# Allegro board TubiiPCB_V6.brd (continued)
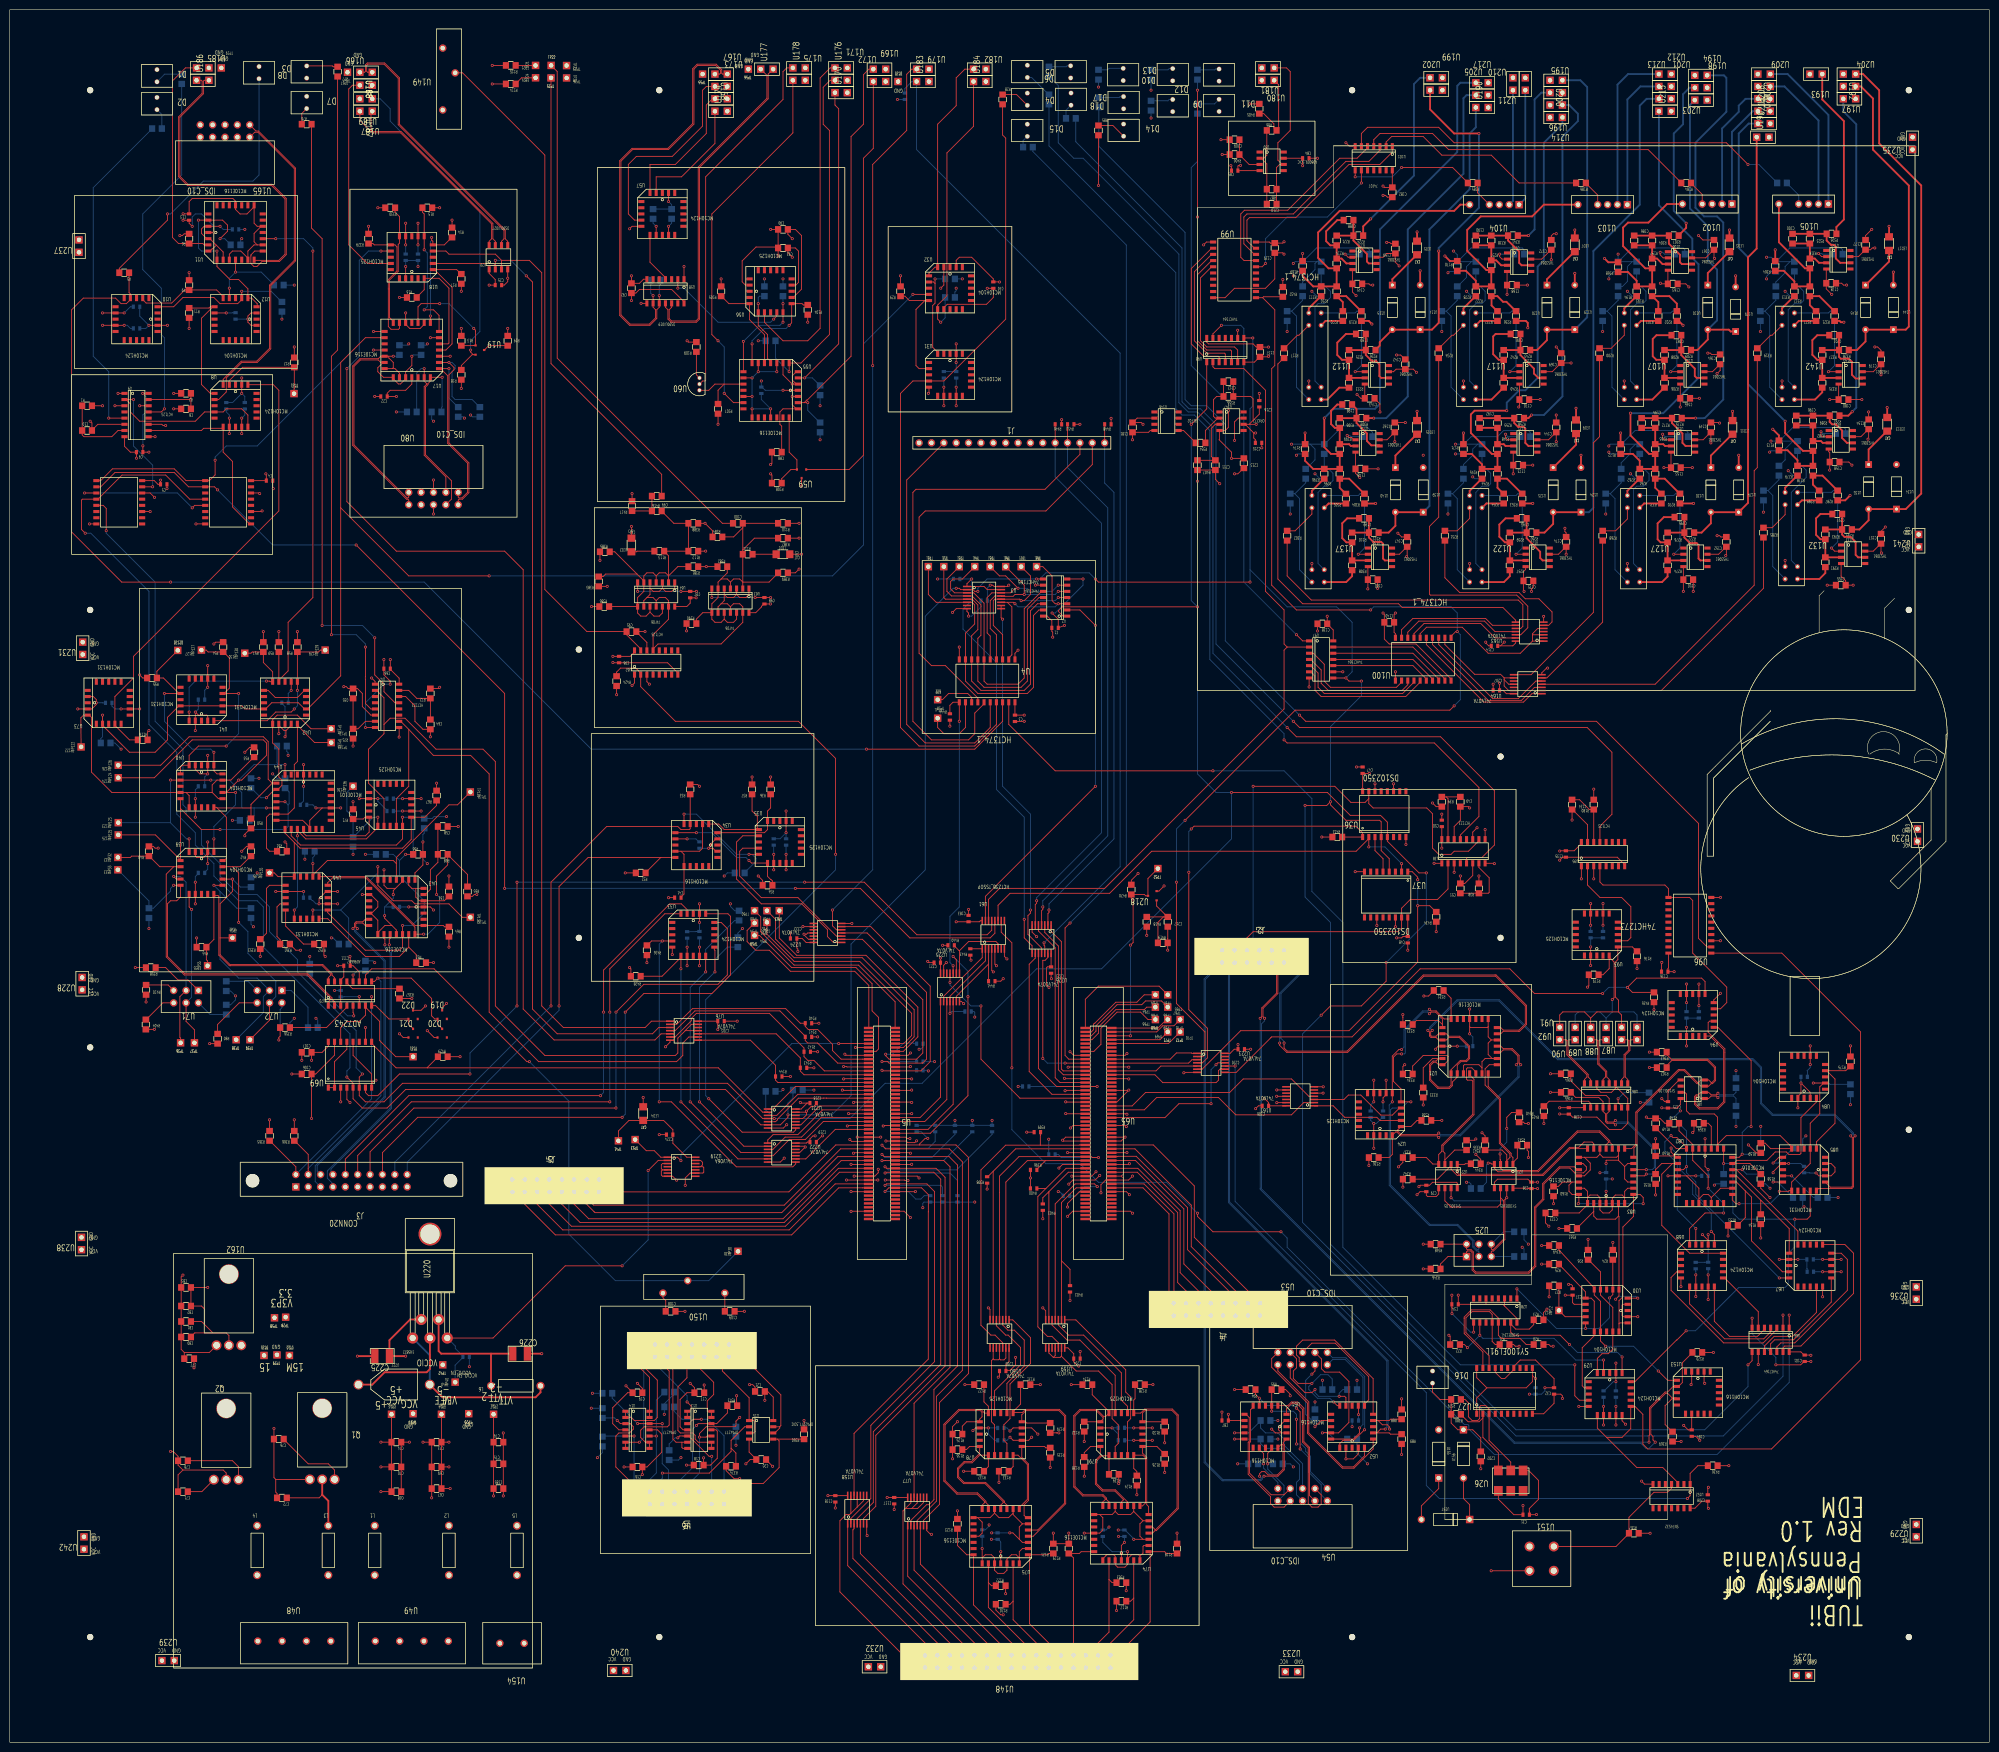
[diagram p0: board, top side]
## Routing (per net, layer and track width the routed paths; a pad name or vN(x,y) marks a point on that pad's centre or on a via; arc(x,y) is an arc through that point) (continued)
v1(195.83,151.6) 196.23,151.21 ; v1(195.83,151.6) 195.44,152 ; v1(195.83,151.6) 195.44,151.21 ; 184.77,134.25 v1(185.17,133.86) ; v1(185.17,133.86) 185.56,133.46 ; v1(185.17,133.86) 185.56,134.25 ; v1(185.17,133.86) 184.77,133.46 ; 186.3,116.22 v1(186.69,115.82) ; v1(186.69,115.82) 187.08,116.22 ; v1(186.69,115.82) 187.08,115.43 ; v1(186.69,115.82) 186.3,115.43 ; v1(367.11,130.22) 367.5,129.83 ; v1(367.11,130.22) 366.71,129.83 ; v1(367.11,130.22) 366.71,130.62 ; v1(367.11,130.22) 367.5,130.62 ; v1(217.17,107.95) 217.56,107.56 ; v1(217.17,107.95) 216.78,108.34 ; v1(217.17,107.95) 216.78,107.56 ; v1(217.17,107.95) 217.56,108.34 ; 66.28,154.7 v1(66.67,154.31) ; v1(66.67,154.31) 66.28,153.91 ; v1(66.67,154.31) 67.07,153.91 ; v1(66.67,154.31) 67.07,154.7 ; v1(55.25,207.01) 55.64,207.4 ; v1(55.25,207.01) 55.64,206.62 ; v1(55.25,207.01) 54.85,207.4 ; v1(55.25,207.01) 54.85,206.62 ; J5.6 108.94,114.83 ; J5.6 107.59,114.83 ; J5.6 107.59,116.18 ; J5.6 108.94,116.18 ; v1(280.67,167.64) 281.06,168.03 ; v1(280.67,167.64) 280.28,167.25 ; v1(280.67,167.64) 281.06,167.25 ; v1(280.67,167.64) 280.28,168.03 ; 390.74,92.8 U236.2 ; U236.2 390.74,94.15 ; U236.2 392.09,94.15 ; U236.2 392.09,92.8 ; 266.37,216.2 v1(266.76,216.6) ; v1(266.76,216.6) 266.37,216.99 ; v1(266.76,216.6) 267.16,216.99 ; v1(266.76,216.6) 267.16,216.2 ; v1(212.09,89.15) 212.48,89.55 ; v1(212.09,89.15) 211.7,89.55 ; v1(212.09,89.15) 212.48,88.76 ; v1(212.09,89.15) 211.7,88.76 ; 191.88,159.63 v1(192.28,160.02) ; v1(192.28,160.02) 192.67,160.41 ; v1(192.28,160.02) 192.67,159.63 ; v1(192.28,160.02) 191.88,160.41 ; U49.2 80.73,21.44 ; U49.2 80.73,20.09 ; U49.2 79.39,20.09 ; U49.2 79.39,21.44 ; v1(71.76,193.68) 72.15,193.28 ; v1(71.76,193.68) 72.15,194.07 ; v1(71.76,193.68) 71.36,193.28 ; v1(71.76,193.68) 71.36,194.07 ; 37.71,211.06 v1(38.1,211.45) ; v1(38.1,211.45) 38.49,211.06 ; v1(38.1,211.45) 38.49,211.85 ; v1(38.1,211.45) 37.71,211.85 ; v1(87,252.1) 87.39,252.49 ; v1(87,252.1) 86.6,251.7 ; v1(87,252.1) 86.6,252.49 ; v1(87,252.1) 87.39,251.7 ; v1(172.72,118.62) 173.11,119.01 ; v1(172.72,118.62) 172.33,118.22 ; v1(172.72,118.62) 172.33,119.01 ; v1(172.72,118.62) 173.11,118.22 ; 317.11,272.81 v1(317.5,272.42) ; v1(317.5,272.42) 317.89,272.02 ; v1(317.5,272.42) 317.11,272.02 ; v1(317.5,272.42) 317.89,272.81 ; 207.89,209.16 v1(208.28,209.55) ; v1(208.28,209.55) 208.67,209.94 ; v1(208.28,209.55) 207.89,209.94 ; v1(208.28,209.55) 208.67,209.16 ; 281.55,231.38 v1(281.94,231.77) ; v1(281.94,231.77) 282.33,232.17 ; v1(281.94,231.77) 281.55,232.17 ; v1(281.94,231.77) 282.33,231.38 ; 268.09,227.69 v1(268.48,228.09) ; v1(268.48,228.09) 268.09,228.48 ; v1(268.48,228.09) 268.88,227.69 ; v1(268.48,228.09) 268.88,228.48 ; 237.34,162.18 v1(237.73,162.58) ; v1(237.73,162.58) 238.12,162.18 ; v1(237.73,162.58) 237.34,162.97 ; v1(237.73,162.58) 238.12,162.97 ; U6.12 134.63,48.21 ; U6.12 133.28,48.21 ; U6.12 134.63,49.56 ; U6.12 133.28,49.56 ; v1(343.53,290.83) 343.93,291.22 ; v1(343.53,290.83) 343.14,290.44 ; v1(343.53,290.83) 343.93,290.44 ; v1(343.53,290.83) 343.14,291.22 ; 280.02,254.65 v1(280.42,254.25) ; v1(280.42,254.25) 280.02,253.86 ; v1(280.42,254.25) 280.81,254.65 ; v1(280.42,254.25) 280.81,253.86 ; 230.11,266.94 v1(230.5,267.33) ; v1(230.5,267.33) 230.9,266.94 ; v1(230.5,267.33) 230.9,267.73 ; v1(230.5,267.33) 230.11,267.73 ; 66.92,159.78 v1(67.31,159.38) ; v1(67.31,159.38) 67.7,159.78 ; v1(67.31,159.38) 66.92,158.99 ; v1(67.31,159.38) 67.7,158.99 ; J3.13 74.65,113.31 ; J3.13 73.3,114.66 ; J3.13 74.65,114.66 ; J3.13 73.3,113.31 ; U80.6 87.67,255.87 ; U80.6 87.67,257.21 ; U80.6 86.32,257.21 ; U80.6 86.32,255.87 ; 256.37,344.34 U181.2 ; U181.2 256.37,342.99 ; U181.2 257.72,344.34 ; U181.2 257.72,342.99 ; v1(287.02,162.56) 287.41,162.17 ; v1(287.02,162.56) 286.63,162.95 ; v1(287.02,162.56) 287.41,162.95 ; v1(287.02,162.56) 286.63,162.17 ; v1(370.84,116.84) 371.23,117.23 ; v1(370.84,116.84) 371.23,116.45 ; v1(370.84,116.84) 370.45,116.45 ; v1(370.84,116.84) 370.45,117.23 ; v1(322.66,177.21) 323.05,176.82 ; v1(322.66,177.21) 322.26,176.82 ; v1(322.66,177.21) 322.26,177.61 ; v1(322.66,177.21) 323.05,177.61 ; v1(248.67,328.93) 249.06,328.54 ; v1(248.67,328.93) 248.27,329.32 ; v1(248.67,328.93) 248.27,328.54 ; v1(248.67,328.93) 249.06,329.32 ; 179.16,340.19 U169.2 ; U169.2 179.16,341.54 ; U169.2 180.51,340.19 ; U169.2 180.51,341.54 ; v1(196.85,170.94) 197.24,171.34 ; v1(196.85,170.94) 197.24,170.55 ; v1(196.85,170.94) 196.46,171.34 ; v1(196.85,170.94) 196.46,170.55 ; U232.2 179.49,14.82 ; U232.2 178.14,14.82 ; U232.2 179.49,16.17 ; U232.2 178.14,16.17 ; 86.32,253.33 U80.5 ; U80.5 87.67,254.67 ; U80.5 87.67,253.33 ; U80.5 86.32,254.67 ; 202.81,299.33 v1(203.2,299.72) ; v1(203.2,299.72) 203.59,300.11 ; v1(203.2,299.72) 202.81,300.11 ; v1(203.2,299.72) 203.59,299.33 ; 289.52,262.29 U139.2 ; U139.2 290.87,262.29 ; U139.2 289.52,260.95 ; U139.2 290.87,260.95 ; v1(101.33,50.56) 101.72,50.17 ; v1(101.33,50.56) 101.72,50.95 ; v1(101.33,50.56) 100.94,50.17 ; v1(101.33,50.56) 100.94,50.95 ; 162.65,344.34 U178.2 ; U178.2 164,342.99 ; U178.2 162.65,342.99 ; U178.2 164,344.34 ; J2.5 254.67,160.69 ; J2.5 253.33,159.35 ; J2.5 253.33,160.69 ; J2.5 254.67,159.35 ; 298.69,298.21 v1(299.08,297.81) ; v1(299.08,297.81) 299.48,298.21 ; v1(299.08,297.81) 299.48,297.42 ; v1(299.08,297.81) 298.69,297.42 ; 73.75,339.43 U166.2 ; U166.2 73.75,340.78 ; U166.2 75.1,339.43 ; U166.2 75.1,340.78 ; J4.2 257.4,86.89 ; J4.2 256.06,86.89 ; J4.2 256.06,88.24 ; J4.2 257.4,88.24 ; 171.06,140.83 v1(171.45,141.22) ; v1(171.45,141.22) 171.84,141.62 ; v1(171.45,141.22) 171.06,141.62 ; v1(171.45,141.22) 171.84,140.83 ; 345.76,115.86 v1(346.15,116.25) ; v1(346.15,116.25) 346.54,115.86 ; v1(346.15,116.25) 345.76,116.65 ; v1(346.15,116.25) 346.54,116.65 ; v1(280.03,127) 280.43,126.61 ; v1(280.03,127) 279.64,127.39 ; v1(280.03,127) 279.64,126.61 ; v1(280.03,127) 280.43,127.39 ; 340.04,115.86 v1(340.44,116.25) ; v1(340.44,116.25) 340.83,116.65 ; v1(340.44,116.25) 340.83,115.86 ; v1(340.44,116.25) 340.04,116.65 ; 79.55,205.92 v1(79.95,206.31) ; v1(79.95,206.31) 80.34,206.71 ; v1(79.95,206.31) 80.34,205.92 ; v1(79.95,206.31) 79.55,206.71 ; v1(303.02,225.81) 303.42,226.2 ; v1(303.02,225.81) 302.63,225.41 ; v1(303.02,225.81) 303.42,225.41 ; v1(303.02,225.81) 302.63,226.2 ; v1(216.66,133.73) 217.06,134.12 ; v1(216.66,133.73) 216.27,134.12 ; v1(216.66,133.73) 216.27,133.34 ; v1(216.66,133.73) 217.06,133.34 ; U148.10 216.51,14.63 ; U148.10 215.16,14.63 ; U148.10 216.51,15.98 ; U148.10 215.16,15.98 ; 293.61,190.89 v1(294,190.5) ; v1(294,190.5) 293.61,190.11 ; v1(294,190.5) 294.4,190.11 ; v1(294,190.5) 294.4,190.89 ; 343.85,147.13 v1(344.25,146.73) ; v1(344.25,146.73) 344.64,147.13 ; v1(344.25,146.73) 343.85,146.34 ; v1(344.25,146.73) 344.64,146.34 ; 138.29,113.91 v1(138.68,114.3) ; v1(138.68,114.3) 139.08,113.91 ; v1(138.68,114.3) 139.08,114.69 ; v1(138.68,114.3) 138.29,114.69 ; 172.49,168.46 v1(172.89,168.06) ; v1(172.89,168.06) 173.28,167.67 ; v1(172.89,168.06) 172.49,167.67 ; v1(172.89,168.06) 173.28,168.46 ; D10.1 239.26,340.53 ; D10.1 238.26,341.52 ; D10.1 239.26,341.52 ; D10.1 238.26,340.53 ; 184.77,129.43 v1(185.17,129.03) ; v1(185.17,129.03) 185.56,129.43 ; v1(185.17,129.03) 184.77,128.64 ; v1(185.17,129.03) 185.56,128.64 ; 348.3,104.58 v1(348.69,104.19) ; v1(348.69,104.19) 349.08,103.79 ; v1(348.69,104.19) 348.3,103.79 ; 255.38,129.65 v1(255.78,130.05) ; v1(255.78,130.05) 256.17,129.65 ; v1(255.78,130.05) 255.38,130.44 ; v1(255.78,130.05) 256.17,130.44 ; U216.2 362.12,331.56 ; U216.2 360.77,331.56 ; U216.2 362.12,332.91 ; U216.2 360.77,332.91 ; 128.47,74.05 v1(128.86,73.66) ; v1(128.86,73.66) 128.47,73.27 ; v1(128.86,73.66) 129.26,74.05 ; v1(128.86,73.66) 129.26,73.27 ; 368.64,13.04 U234.2 ; U234.2 368.64,14.39 ; U234.2 369.99,13.04 ; U234.2 369.99,14.39 ; 292.02,180.01 v1(292.42,180.4) ; v1(292.42,180.4) 292.81,180.01 ; v1(292.42,180.4) 292.81,180.8 ; v1(292.42,180.4) 292.02,180.8 ; v1(214,231.77) 214.39,231.38 ; v1(214,231.77) 213.6,232.17 ; v1(214,231.77) 214.39,232.17 ; v1(214,231.77) 213.6,231.38 ; 117.75,116.18 J5.14 ; J5.14 117.75,114.83 ; J5.14 119.1,114.83 ; J5.14 119.1,116.18 ; v1(133.35,124.71) 133.74,125.11 ; v1(133.35,124.71) 132.96,124.32 ; v1(133.35,124.71) 132.96,125.11 ; v1(133.35,124.71) 133.74,124.32 ; 66.92,175.02 v1(67.31,174.62) ; v1(67.31,174.62) 67.7,175.02 ; v1(67.31,174.62) 66.92,174.23 ; v1(67.31,174.62) 67.7,174.23 ; 140.58,235.83 v1(140.97,236.22) ; v1(140.97,236.22) 141.36,236.61 ; v1(140.97,236.22) 141.36,235.83 ; v1(140.97,236.22) 140.58,236.61 ; v1(48.26,310.51) 48.65,310.91 ; v1(48.26,310.51) 47.87,310.91 ; v1(48.26,310.51) 47.87,310.12 ; v1(48.26,310.51) 48.65,310.12 ; v1(382.9,286.38) 383.3,285.99 ; v1(382.9,286.38) 382.51,285.99 ; v1(382.9,286.38) 383.3,286.78 ; v1(382.9,286.38) 382.51,286.78
  BOTTOM w0.178: v1(326.47,116.89) 326.52,116.94 C126.2 v1(327.74,118.79) ; C27.2 281.81,128.24 280.57,127 v1(280.03,127) 279.4,127.63 C30.1 ; v1(83.82,302.89) C23.2 C24.1 v1(81.28,302.89) ; v1(360.04,252.48) R283.1 ; R301.1 268.97,259.35 v1(267.97,260.35) ; R375.1 v1(119.63,71.63) ; C130.2 C131.1 v1(324.56,163.24) ; C129.1 369.52,116.89 369.57,116.84 v1(370.84,116.84) ; v1(62.87,148.59) 63.23,148.22 R47.1 ; v1(332.1,297.81) 333.11,296.81 R199.1 ; C39.1 C38.2 v1(194.31,283.21) ; v1(328.29,264.8) 328.66,264.43 C161.1 ; v1(299.08,297.81) 300.09,296.81 R233.1 ; v1(328.29,300.36) 328.29,300.89 329.3,301.89 C141.1 ; v1(56.52,206.38) 56.52,212.57 55.85,213.23 C55.1 ; C46.1 v1(159.38,186.69) 158.14,185.45 C45.2 ; R318.1 365.49,296.81 v1(364.49,297.81) ; v1(201.6,42.98) C114.2 v1(205.31,42.98) ; C54.1 38.71,212.06 v1(38.1,211.45) ; C56.1 76.96,171.45 ; 76.96,171.45 78.74,173.23 v1(78.74,173.99) ; 76.96,171.45 v1(76.96,169.67) ; v1(344.25,146.73) C133.1 C132.2 ; C57.2 62.23,192.41 v1(62.87,191.77) ; R377.1 121.67,59.44 v1(120.65,58.42) ; C151.1 295.54,301.89 v1(295.27,301.62) ; R300.1 v1(262.89,252.1) ; C146.1 264.43,301.89 v1(263.52,300.99) ; C2.1 199.39,233.05 197.49,231.14 v1(196.85,231.14) ; R284.1 366.13,259.98 v1(365.12,260.99) ; C15.1 v1(48.89,292.1) ; v1(73.03,208.28) 73.03,213.36 76.84,217.17 v1(78.11,217.17) ; C156.1 v1(296.81,264.43) ; v1(137.8,236.22) v1(128.91,236.22) ; R250.1 300.72,259.35 v1(300.35,259.72) ; C119.2 202.18,61.98 200.91,63.25 v1(200.91,64.52) C121.1 ; C166.1 361.58,265.06 v1(361.31,264.8) ; C120.2 227.58,63.25 v1(226.31,64.52) 226.34,64.54 C122.1 ; v1(227.58,43.56) C116.2 228.98,43.56 230.76,41.78 v1(230.76,41.66) ; v1(63.5,172.09) 62.89,172.09 62.22,172.76 62.09,172.76 61.62,173.23 61.62,173.36 ; C26.2 300.38,144.75 v1(299.72,145.41) ; v1(149.1,60.96) R372.1 ; v1(311.99,71.45) C33.1 314.48,71.45 315.17,72.13 v1(315.17,72.77) ; R371.1 137.3,57.93 v1(137.8,58.42) ; 77.44,193.68 v1(75.56,193.68) 75.56,193.14 77.44,191.26 C60.2 ; v1(367.11,99.11) C103.2 368.96,97.28 369.01,97.23 C105.1 ; C113.1 225.07,43.56 v1(225.68,44.17) ; C52.1 40.03,178.56 40.64,179.17 v1(40.64,180.34) ; R361.1 368.11,110.17 v1(368.38,109.9) ; R378.1 v1(119.4,68.56) ; C94.1 C91.2 135.89,315.6 v1(135.25,316.23) ; C176.1 361.68,301.89 360.68,300.89 v1(360.68,300.36) ; C110.1 v1(66.67,154.31) ; v1(362.58,77.47) 362.58,78.99 357.71,83.87 v1(357.71,87.04) ; R216.1 268.34,296.81 v1(267.33,297.81) ; C44.1 140.89,166.37 140.94,166.42 141.6,166.42 v1(141.6,168.28) ; C53.1 40.03,198.15 v1(40.64,198.75) ; R317.1 v1(359.41,289.56) ; C104.1 348,98.5 348.03,98.52 C102.2 v1(348.69,104.19) ; v1(17.78,213.36) 19.1,213.36 19.12,213.33 C112.1 ; R360.1 368.11,123.81 v1(368.76,124.46) ; v1(201.07,44.61) 201.07,44.37 200.31,43.61 C115.2 ; R232.1 v1(294,289.56) ; C7.2 45.75,274.98 v1(47.62,276.86) 48.26,276.23 C6.1 ; C89.2 154.31,275.59 v1(156.21,273.69) v1(152.4,273.69) v1(152.4,276.23) v1(152.4,280.04) v1(153.67,281.31) v1(157.48,281.31) ; R376.1 136.38,71.46 134.38,69.45 R81.1 v1(134.38,67.31) ; v1(264.16,264.16) 264.43,264.43 C171.1 ; v1(153.03,234.95) v1(144.15,234.95) ; v1(214,231.77) 214.63,231.77 220.34,237.49 v1(220.34,238.76) ; C12.2 27.94,290.19 v1(28.57,290.83) 26.7,292.71 C14.1 ; C59.1 86.73,189.6 87.12,189.99 v1(89.66,189.99) ; C11.1 v1(48.26,310.51) ; C43.2 v1(143.48,183.49) ; R267.1 333.74,259.35 v1(332.74,260.35) ; C127.2 v1(367.74,135.3) ; C35.2 v1(329.75,74.01) 329.21,74.01 327.33,72.13 C36.1 ; R362.2 v1(375.36,111.81) ; R249.1 v1(295.27,252.1) ; R198.1 v1(327.02,289.56) ; C86.2 v1(275.59,64.77) ; v1(346.15,116.25) C124.2 ; R266.1 v1(327.66,252.1) ; R215.1 v1(262.25,289.56)
